# KiCad board flatlight_rev21.kicad_pcb
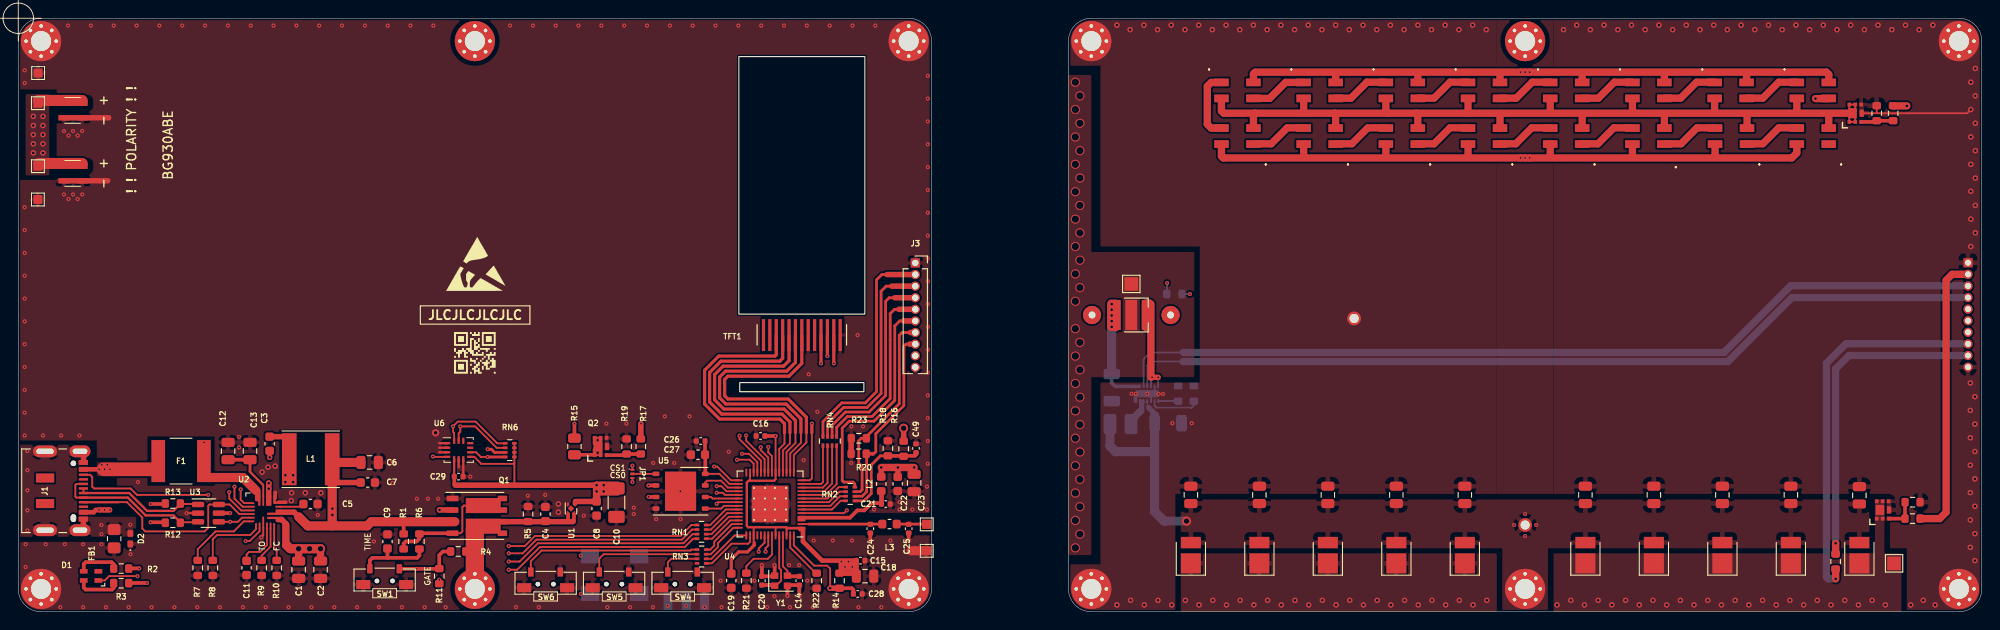
[diagram p0: board, top side]
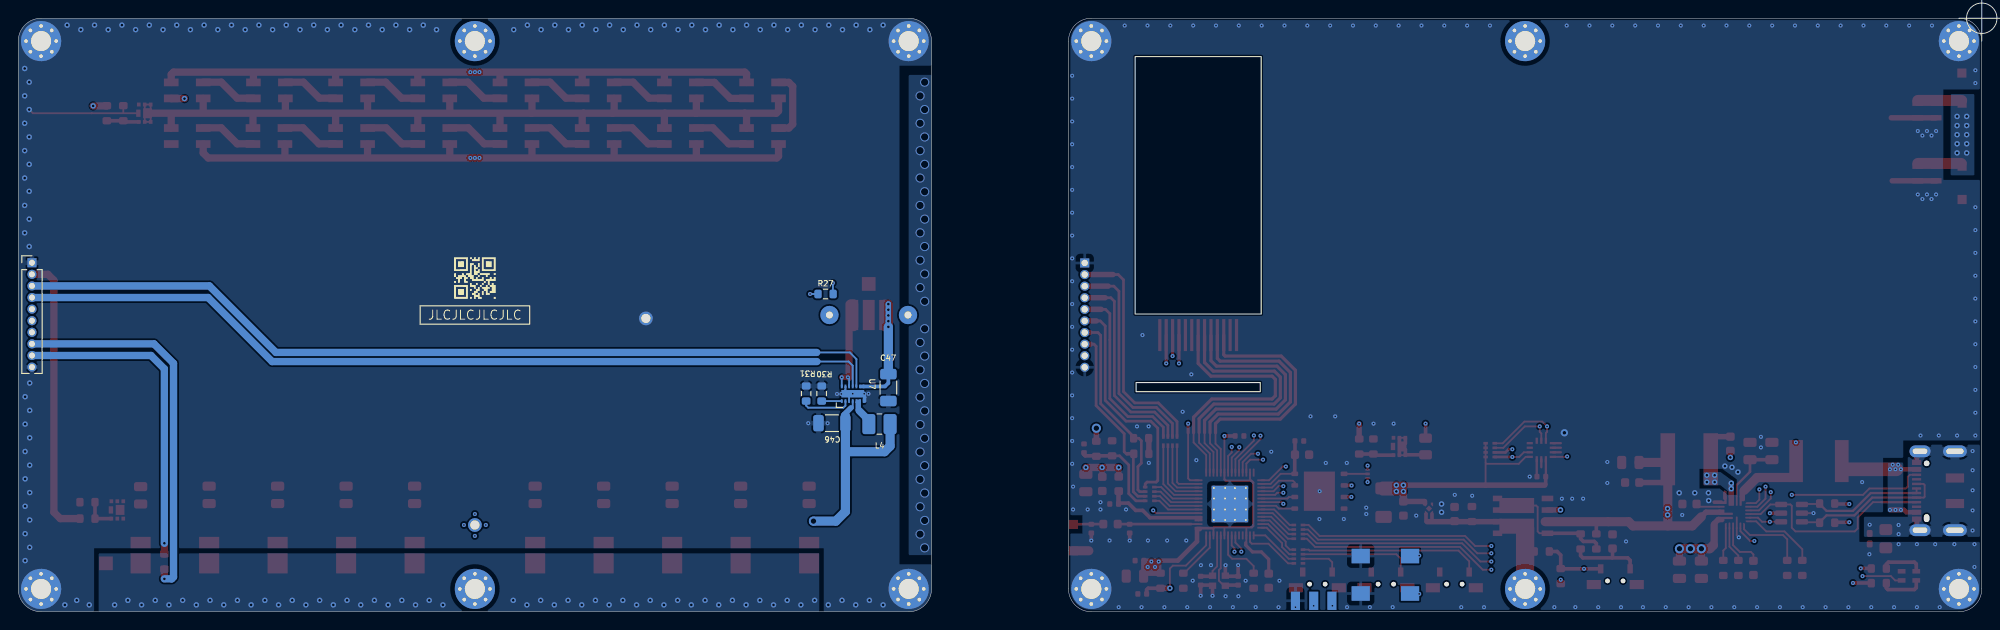
[diagram p1: board, bottom side, seen from below]

Outline 215 x 65 mm; copper layers: Top, In1.Cu, In2.Cu, Bottom. Coordinates in mm from the lower left corner of the outline.
Outline path: 0,62.5 0,2.5 arc(0.73,0.73) 2.5,0 97.5,0 arc(99.27,0.73) 100,2.5 100,62.5 arc(99.27,64.27) 97.5,65 2.5,65 arc(0.73,64.27) 0,62.5 ; 115,62.5 115,2.5 arc(115.73,0.73) 117.5,0 212.5,0 arc(214.27,0.73) 215,2.5 215,62.5 arc(214.27,64.27) 212.5,65 117.5,65 arc(115.73,64.27) 115,62.5
Stack: Top 0.035mm / dielectric 1.51mm FR4 er 4.5 / In1.Cu 0.035mm / dielectric 1.51mm FR4 er 4.5 / In2.Cu 0.035mm / dielectric 1.51mm FR4 er 4.5 / Bottom 0.035mm

## Placement (name value [footprint] x y rotation side)
BT1  lipo_sams_BG930ABE  [lipo_samsung_BG930ABE_double]  5.6 48 90 top
C1  10µF  [C_0805_2012Metric]  30.7 4.6 90 top
C2  10µF  [C_0805_2012Metric]  33.1 4.6 90 top
C3  100nF  [C_0603_1608Metric]  27.53 18.4 90 top
C4  1µF  [C_0603_1608Metric]  57.73 10.7 270 top
C5  2.2µF  [C_0603_1608Metric]  32 11.8 0 top
C6  10µF  [C_0805_2012Metric]  38.48 16.35 180 top
C7  1µF  [C_0603_1608Metric]  38.28 14.15 180 top
C8  1µF  [C_0603_1608Metric]  63.33 11.3 90 top
C9  1µF  [C_0603_1608Metric]  40.43 7.7 90 top
C10  22µF  [C_1206_3216Metric_Pad1.33x1.80mm_HandSolder]  65.5 11.95 90 top
C11  2.2µF  [C_0603_1608Metric]  25 4.8 270 top
C12  10µF  [C_0805_2012Metric]  22.98 17.6 90 top
C13  22µF  [C_0805_2012Metric]  25.38 17.6 90 top
C14  10pF  [C_0402_1005Metric]  85.53 3.4 270 top
C15  100nF  [C_0402_1005Metric]  92.23 5.6 180 top
C16  100nF  [C_0402_1005Metric]  81.28 19.25 0 top
C18  10µF  [C_0805_2012Metric]  92.73 3.9 180 top
C19  1µF  [C_0603_1608Metric]  78.08 3.4 90 top
C20  10pF  [C_0402_1005Metric]  81.43 3.4 270 top
C21  100nF  [C_0402_1005Metric]  95 11.8 180 top
C22  1µF  [C_0603_1608Metric]  96.3 14 90 top
C23  10µF  [C_0805_2012Metric]  98.1 14.1 90 top
C24  4,7 pF  [C_0402_1005Metric]  93.3 9.1 90 top
C25  4,7 pF  [C_0402_1005Metric]  97.5 9.1 90 top
C26  100nF  [C_0402_1005Metric]  74.72 18.7 0 top
C27  1µF  [C_0603_1608Metric]  74.43 17.2 0 top
C28  100nF  [C_0402_1005Metric]  91.93 1.95 0 top
C29  100nF  [C_0402_1005Metric]  48.23 14.8 180 top
C30  10µF  [C_0805_2012Metric]  158.4 12.8 90 top
C31  10µF  [C_0805_2012Metric]  179.1 12.8 90 top
C32  10µF  [C_0805_2012Metric]  171.6 12.8 90 top
C33  10µF  [C_0805_2012Metric]  150.9 12.8 90 top
C34  10µF  [C_0805_2012Metric]  143.4 12.8 90 top
C35  10µF  [C_0805_2012Metric]  201.6 12.75 90 top
C36  10µF  [C_0805_2012Metric]  128.4 12.8 90 top
C37  10µF  [C_0805_2012Metric]  194.1 12.8 90 top
C38  10µF  [C_0805_2012Metric]  135.9 12.8 90 top
C39  10µF  [C_0805_2012Metric]  186.6 12.8 90 top
C46  22µF  [C_1206_3216Metric]  125.9 20.65 180 bottom
C47  10µF  [C_1206_3216Metric]  119.73 24.55 90 bottom
C49  100nF  [C_0402_1005Metric]  98.3 17.9 90 top
D1  LED_ABRG  [0606_ARGB_LED]  7.97 3.93 180 top
D2  ESD9B5.0ST5G  [D_0402_1005Metric_Pad0.77x0.64mm_HandSolder]  12.27 8 90 top
D3  SK6812MINI  [LED_SK6812MINI]  196.5 57.1 0 top
D4  SK6812MINI  [LED_SK6812MINI]  187.5 57.1 0 top
D5  SK6812MINI  [LED_SK6812MINI]  178.5 57.1 0 top
D6  SK6812MINI  [LED_SK6812MINI]  169.5 57.1 0 top
D7  SK6812MINI  [LED_SK6812MINI]  160.5 57.1 0 top
D8  SK6812MINI  [LED_SK6812MINI]  151.5 57.1 0 top
D9  SK6812MINI  [LED_SK6812MINI]  142.5 57.1 0 top
D10  SK6812MINI  [LED_SK6812MINI]  133.5 57.1 0 top
D11  SK6812MINI  [LED_SK6812MINI]  133.5 52.1 180 top
D12  SK6812MINI  [LED_SK6812MINI]  142.5 52.1 180 top
D13  SK6812MINI  [LED_SK6812MINI]  151.5 52.1 180 top
D14  SK6812MINI  [LED_SK6812MINI]  160.5 52.1 180 top
D15  SK6812MINI  [LED_SK6812MINI]  169.5 52.1 180 top
D16  SK6812MINI  [LED_SK6812MINI]  178.5 52.1 180 top
D17  SK6812MINI  [LED_SK6812MINI]  187.55 52.1 180 top
D18  SK6812MINI  [LED_SK6812MINI]  196.5 52.1 180 top
D19  LED  [LED_PLCC_2835]  143.4 6.2 90 top
D20  LED  [LED_PLCC_2835]  201.6 6.2 90 top
D21  LED  [LED_PLCC_2835]  186.6 6.2 90 top
D22  LED  [LED_PLCC_2835]  135.9 6.2 90 top
D23  LED  [LED_PLCC_2835]  158.4 6.2 90 top
D24  LED  [LED_PLCC_2835]  194.1 6.2 90 top
D25  LED  [LED_PLCC_2835]  171.6 6.2 90 top
D26  LED  [LED_PLCC_2835]  150.9 6.2 90 top
D27  LED  [LED_PLCC_2835]  128.4 6.2 90 top
D28  LED  [LED_PLCC_2835]  179.1 6.2 90 top
D35  LED_Cree_XPP  [LED_Cree-XHP35]  121.87 32.5 180 top
F1  Polyfuse_Small  [FUSE_littlefuse_2016-4.1x5.2mm]  17.83 16.5 0 top
FB1  FerriteBead_Small  [R_0805_2012Metric_Pad1.20x1.40mm_HandSolder]  10.5 8 90 top
G***  LOGO  [LOGO_cc-by-nc-sa]  85.12 62.49 180 top
G***#2  LOGO  [LOGO_CATLIGHT_TIGER]  181.35 32.17 180 top
G***#3  LOGO  [logo_JLC_QR_silk]  50 28.35 0 top
G***#4  LOGO  [logo_lisa_wonla_1]  141.3 49.4 90 bottom
G***#5  LOGO  [logo_CAT_text]  29.38 32.2 90 bottom
G***#6  LOGO  [logo_JLC_QR_silk]  165 36.55 180 bottom
G***#7  LOGO  [logo_lisa_djinn_2]  50.06 32.21 90 bottom
G***#8  LOGO  [LOGO_cc-by-nc-sa]  209.8 48.8 270 bottom
H1  MountingHole_Pad  [MountingHole_2.2mm_M2_Pad_Via]  50 2.5 0 top
H2  MountingHole_Pad  [MountingHole_2.2mm_M2_Pad_Via]  97.5 2.5 0 top
H3  MountingHole_Pad  [MountingHole_2.2mm_M2_Pad_Via]  97.5 62.5 0 top
H4  MountingHole_Pad  [MountingHole_2.2mm_M2_Pad_Via]  2.5 62.5 0 top
H5  MountingHole_Pad  [MountingHole_2.2mm_M2_Pad_Via]  2.5 2.5 0 top
H6  MountingHole_Pad  [MountingHole_2.2mm_M2_Pad_Via]  50 62.5 0 top
H7  thole1  [plated_hole_1mm]  165 9.5 0 top
H14  thole8  [plated_hole_1mm]  146.27 32.12 0 top
H15  MountingHole_Pad  [MountingHole_2.2mm_M2_Pad_Via]  165 62.5 0 top
H16  MountingHole_Pad  [MountingHole_2.2mm_M2_Pad_Via]  165 2.5 0 top
H17  MountingHole_Pad  [MountingHole_2.2mm_M2_Pad_Via]  117.5 62.5 0 top
H18  MountingHole_Pad  [MountingHole_2.2mm_M2_Pad_Via]  212.5 62.5 0 top
H19  MountingHole_Pad  [MountingHole_2.2mm_M2_Pad_Via]  212.5 2.5 0 top
H20  MountingHole_Pad  [MountingHole_2.2mm_M2_Pad_Via]  117.5 2.5 0 top
J1  USB_C_Receptacle_USB2.0  [USB_C_Receptacle_JAE_DX07S016JA1R1500]  4.08 13.25 270 top
J2  G-T-R  [01x03_smd_1mmx2mm_pad]  73.15 1.2 180 bottom
J3  B2B_eside  [PinSocket_1x10_P1.27mm_Vertical]  98.23 38.2 0 top
J4  B2B_ledside  [PinHeader_1x10_P1.27mm_Vertical]  213.5 38.22 180 bottom
JP1  SolderJumper_3_Open  [microbridge]  67.25 15.1 270 top
L1  1µH  [L_Taiyo-Yuden_NR-60xx]  32.03 16.7 180 top
L2  1µH  [L_0603_1608Metric]  94.5 14 270 top
L3  1.8 nH  [L_0603_1608Metric]  95.4 9.6 180 top
L4  1µH  [L_1008_2520Metric_Pad1.43x2.20mm_HandSolder]  120.7 20.55 0 bottom
lense1  Lense_Mount  [LENS_LEDIL_C12491_siri_diff]  121.87 32.5 90 top
logo1  logo_qrtag  [logo_QR_url_git_catlight]  68.45 45.85 270 top
logo1#2  logo_qrtag  [logo_QR_url_git_catlight]  165 18.52 180 bottom
logo2  logo_JLC  [JLC-SERIAL]  50.03 32.5 180 top
logo5  logo_JLC  [JLC-SERIAL]  165 32.5 180 bottom
logo6  logo_esd  [ESD-Logo_6.6x6mm_SilkScreen]  50.1 38.1 0 top
logo8  logo_heart  [logo_heart3]  4.8 13.3 90 bottom
logo9  logo_LWarn  [logo_lightwarn_large]  143.27 32.5 90 top
logo10  logo_CATLIGHT  [logo_catlightMK2_small]  124.18 51.84 90 top
logo10#2  logo_CATLIGHT  [logo_catlightMK2_small]  94.87 56.94 90 bottom
Q1  DMC1016UPD  [PowerDI5060-8]  50.23 10.5 0 top
Q2  DMN2022-UFDF7  [U-DFN2020-6 (Type F)]  63.81 18.05 0 top
Q3  DMN2022-UFDF7  [U-DFN2020-6 (Type F)]  201.2 54.55 0 top
Q4  DMN2022-UFDF7  [U-DFN2020-6 (Type F)]  204.2 11.1 0 top
R1  10kΩ  [R_0603_1608Metric]  42.2 7.7 270 top
R2  4.7KΩ  [R_0603_1608Metric]  11.27 4.73 0 top
R3  500Ω  [R_0603_1608Metric]  11.27 3.13 0 top
R4  10kΩ  [R_0603_1608Metric]  48.18 6.6 180 top
R5  10kΩ (depending on caps)  [R_0603_1608Metric]  55.83 10.7 90 top
R6  100kΩ  [R_0603_1608Metric]  43.93 7.7 270 top
R7  20kΩ  [R_0603_1608Metric]  19.65 4.8 270 top
R8  20kΩ  [R_0603_1608Metric]  21.3 4.8 270 top
R9  10KΩ(150mA_TO)  [R_0603_1608Metric]  26.65 4.8 90 top
R10  10KΩ(1.5A_FC)  [R_0603_1608Metric]  28.3 4.8 270 top
R11  0 Ω  [R_0603_1608Metric]  46.1 3.9 270 top
R12  22Ω  [R_0603_1608Metric]  16.93 9.75 180 top
R13  22Ω  [R_0603_1608Metric]  16.93 11.85 180 top
R14  10kΩ  [R_0603_1608Metric]  89.93 3.4 90 top
R15  14Ω  [R_0805_2012Metric]  60.9 18.1 270 top
R16  1MΩ  [R_0603_1608Metric]  96.95 17.85 90 top
R17  1kΩ  [R_0603_1608Metric]  68.16 18.1 270 top
R18  1MΩ  [R_0603_1608Metric]  95.23 17.9 270 top
R19  1MΩ  [R_0603_1608Metric]  66.61 18.1 270 top
R20  10 kΩ  [R_0603_1608Metric]  92.03 17.3 0 top
R21  10kΩ  [R_0603_1608Metric]  79.73 3.4 90 top
R22  10kΩ  [R_0603_1608Metric]  87.43 3.4 90 top
R23  10 kΩ  [R_0603_1608Metric]  92.05 19 0 top
R24  1kΩ  [R_0603_1608Metric]  205.3 54.6 90 top
R25  1MΩ  [R_0603_1608Metric]  203.5 54.6 270 top
R26  NTC 10 kΩ  [R_0603_1608Metric]  199 5.5 270 top
R27  NTC 10 kΩ  [R_0603_1608Metric]  126.6 34.8 180 bottom
R28  1kΩ  [R_0603_1608Metric]  207.43 10.2 180 top
R29  1MΩ  [R_0603_1608Metric]  207.43 12 180 top
R30  37.5kΩ  [R_0603_1608Metric]  127.02 23.9 270 bottom
R31  12kΩ  [R_0603_1608Metric]  128.73 23.9 270 bottom
RN1  0Ω  [R_Array_Concave_4x0402]  74.83 8.75 180 top
RN2  0Ω  [R_Array_Concave_4x0402]  91.1 12.9 0 top
RN3  0Ω  [R_Array_Concave_4x0402]  74.83 6.05 180 top
RN4  1kΩ  [R_Array_Concave_4x0402]  88.87 18.69 90 top
RN6  10KΩ  [R_Array_Concave_4x0402]  53.83 17.7 0 top
SW1  BTN_PWR  [white_nano_smd_switch]  40.13 2.77 180 top
SW2  BT  [SW_SPST_EVQPE1]  65.3 6.1 0 bottom
SW3  RST  [SW_SPST_EVQPE1]  65.3 2 0 bottom
SW4  BTN_PWR  [white_nano_smd_switch]  72.75 2.42 180 top
SW5  BTN_PWR  [white_nano_smd_switch]  65.25 2.42 180 top
SW6  BTN_PWR  [white_nano_smd_switch]  57.75 2.42 180 top
TFT1  OLED_ST7735_0.9inch_SPI_13pin  [TFT_ST7735_0,96_160x80_folded]  85.8 30.3 0 top
TP6  ANT_H  [TestPoint_Pad_1.0x1.0mm]  99.48 9.58 0 top
TP8  ANT_GND  [TestPoint_Pad_1.0x1.0mm]  99.47 6.67 0 top
TP9  TestPoint  [TestPoint_Pad_1.5x1.5mm]  205.4 5.3 0 top
TP10  TestPoint  [TestPoint_Pad_1.5x1.5mm]  121.87 35.9 180 top
TP11  GND  [TestPoint_Pad_1.0x1.0mm]  2.17 59 0 top
TP12  GND  [TestPoint_Pad_1.0x1.0mm]  2.15 45.15 0 top
TP13  +BATT  [TestPoint_Pad_1.0x1.0mm]  2.15 55.7 0 top
TP14  +BATT  [TestPoint_Pad_1.0x1.0mm]  2.15 48.8 0 top
U1  NCP167-XDFN4  [UDFN-4-1EP_1x1mm_P0.65mm_EP0.48x0.48mm]  60.53 11.3 270 top
U2  MAX77751  [max77751]  27.03 10.9 0 top
U3  USBLC6-4SC6  [SOT-23-6]  20.83 10.8 0 top
U4  ESP32-S2  [QFN-56-1EP_7x7mm_P0.4mm_EP5.6x5.6mm_ThermalVias]  82.33 11.8 180 top
U5  AT25xxx-MA  [WSON-8-1EP_6x5mm_P1.27mm_EP3.4x4.3mm]  72.53 13.2 0 top
U6  LSM6DS3  [Bosch_LGA-14_3x2.5mm_P0.5mm]  48.23 17.71 0 top
U7  LDRV_DIO5180  [DFN-14-2x3mm]  123.62 23.88 180 bottom
Y1  40MHz  [Crystal_SMD_2016-4Pin_2.0x1.6mm_smallpads]  83.52 3.4 0 top

## Footprints (pads in the part's own frame, mm; a bottom-side part is the same pattern mirrored in y, then rotated)
01x03_smd_1mmx2mm_pad
  rect 1x2 smd: 1(-2,0) 2(0,0) 3(2,0)
0606_ARGB_LED
  rect 0.85x0.5 smd: 1(-0.8,0.5) 2(-0.8,-0.5) 3(0.8,0.5) 4(0.8,-0.5)
Bosch_LGA-14_3x2.5mm_P0.5mm
  rect 0.675x0.25 smd: 1(-1.262,0.75) 2(-1.262,0.25) 3(-1.262,-0.25) 4(-1.262,-0.75) 8(1.262,-0.75) 9(1.262,-0.25) 10(1.262,0.25) 11(1.262,0.75)
  rect 0.25x0.675 smd: 5(-0.5,-1.012) 6(0,-1.012) 7(0.5,-1.012) 12(0.5,1.012) 13(0,1.012) 14(-0.5,1.012)
C_0402_1005Metric
  rrect 0.56x0.62 smd: 1(-0.48,0) 2(0.48,0)
C_0603_1608Metric
  rrect 0.9x0.95 smd: 1(-0.775,0) 2(0.775,0)
C_0805_2012Metric
  rrect 1x1.45 smd: 1(-0.95,0) 2(0.95,0)
C_1206_3216Metric
  rrect 1.15x1.8 smd: 1(-1.475,0) 2(1.475,0)
C_1206_3216Metric_Pad1.33x1.80mm_HandSolder
  rrect 1.325x1.8 smd: 1(-1.562,0) 2(1.562,0)
Crystal_SMD_2016-4Pin_2.0x1.6mm_smallpads
  rect 0.8x0.7 smd: 1(-0.7,-0.55) 2(0.7,-0.55) 3(0.7,0.55) 4(-0.7,0.55)
D_0402_1005Metric_Pad0.77x0.64mm_HandSolder
  rrect 0.765x0.64 smd: 1(-0.573,0) 2(0.573,0)
DFN-14-2x3mm
  rect 0.2x0.4 smd: 1(-1.2,-0.8) 2(-0.8,-0.8) 3(-0.4,-0.8) 4(0,-0.8) 5(0.4,-0.8) 6(0.8,-0.8) 7(1.2,-0.8) 8(1.2,0.8) 9(0.8,0.8) 10(0.4,0.8) 11(0,0.8) 12(-0.4,0.8) 13(-0.8,0.8) 14(-1.2,0.8)
  rect 2.5x0.8 smd: 15(0,0)
FUSE_littlefuse_2016-4.1x5.2mm
  rect 1.5x4.6 smd: 1(-2.5,0) 2(2.5,0)
L_0603_1608Metric
  rrect 0.875x0.95 smd: 1(-0.787,0) 2(0.787,0)
L_1008_2520Metric_Pad1.43x2.20mm_HandSolder
  rrect 1.425x2.2 smd: 1(-1.163,0) 2(1.163,0)
L_Taiyo-Yuden_NR-60xx
  rect 1.6x5.7 smd: 1(-2.35,0) 2(2.35,0)
LED_Cree-XHP35
  rect 1.01x0.75 smd: (0,1) (0,0) (0,-1)
  rect 0.5x3.3 smd: 1(-1.4,0) 2(1.4,0)
  rect 1.3x3.3 smd: 3(0,0)
LED_PLCC_2835
  rect 2.2x2.2 smd: 1(-0.9,0)
  rect 1.25x2.2 smd: 2(1.375,0)
LED_SK6812MINI
  rect 1.6x0.85 smd: 1(-1.75,0.875) 2(-1.75,-0.875) 3(1.75,-0.875) 4(1.75,0.875)
LENS_LEDIL_C12491_siri_diff
  round 2 hole 0.762 unplated: (0,4.3) (0,-4.3)
lipo_samsung_BG930ABE_double
  rect 0.6x1.2 smd: 5(-0.8,0.6) 5(6.1,0.6) 6(-0.8,-1.4) 6(6.1,-1.4) 7(0.8,-1.4) 7(7.7,-1.4) 8(0.8,0.6) 8(7.7,0.6)
max77751
  custom 0.625x0.2 smd: 1(-1.75,1) 6(-1.75,-1)
  custom 0.675x0.2 smd: 2(-1.75,0.6) 3(-1.75,0.2) 4(-1.75,-0.2) 5(-1.75,-0.6) 17(1.75,0.6)
  custom 0.2x0.625 smd: 7(-1,-1.75) 12(1,-1.75)
  custom 0.2x0.675 smd: 8(-0.6,-1.75) 10(0.2,-1.75) 11(0.6,-1.75)
  custom 0.2x1.325 smd: 9(-0.2,-1.725)
  custom 1.575x0.6 smd: 13(1.75,-0.8) 15(1.75,0)
  rect 0.1x0.1 smd: 14(1.65,-0.8) 16(1.65,0) 18(1.725,1) 21(0.4,1.65) 24(-0.8,1.65)
  custom 0.9x0.9 smd: 19(1,1.75)
  custom 0.6x1.1 smd: 20(0.4,1.75) 23(-0.8,1.75)
  custom 0.2x1.1 smd: 22(-0.2,1.75)
microbridge
  rrect 0.2x0.5 smd: 1(-0.45,0) 3(0.45,0)
  rrect 0.3x0.5 smd: 2(0,0)
MountingHole_2.2mm_M2_Pad_Via
  round 0.7 hole 0.4: 1(-1.65,0) 1(-1.167,1.167) 1(-1.167,-1.167) 1(0,1.65) 1(0,-1.65) 1(1.167,1.167) 1(1.167,-1.167) 1(1.65,0)
  round 4.4 hole 2.2: 1(0,0)
PinHeader_1x10_P1.27mm_Vertical
  rect 1x1 hole 0.65: 1(0,0)
  oval 1x1 hole 0.65: 2(0,-1.27) 3(0,-2.54) 4(0,-3.81) 5(0,-5.08) 6(0,-6.35) 7(0,-7.62) 8(0,-8.89) 9(0,-10.16) 10(0,-11.43)
PinSocket_1x10_P1.27mm_Vertical
  rect 1x1 hole 0.7: 1(0,0)
  oval 1x1 hole 0.7: 2(0,-1.27) 3(0,-2.54) 4(0,-3.81) 5(0,-5.08) 6(0,-6.35) 7(0,-7.62) 8(0,-8.89) 9(0,-10.16) 10(0,-11.43)
plated_hole_1mm
  round 1.5 hole 1: 1(0,0)
PowerDI5060-8
  rect 1.27x0.61 smd: 1(-2.67,1.905) 2(-2.67,0.635) 3(-2.67,-0.635) 4(-2.67,-1.905)
  rect 3.81x1.65 smd: 5(0.69,-1.13) 7(0.69,1.13)
  rect 1.02x0.61 smd: 5(2.795,-1.905) 6(2.795,-0.635) 7(2.795,0.635) 8(2.795,1.905)
QFN-56-1EP_7x7mm_P0.4mm_EP5.6x5.6mm_ThermalVias
  rrect 1.084x1.084 smd: (-0.637,0.637) (-0.637,-0.637) (0.637,0.637) (0.637,-0.637)
  rrect 0.875x0.2 smd: 1(-3.438,2.6) 2(-3.438,2.2) 3(-3.438,1.8) 4(-3.438,1.4) 5(-3.438,1) 6(-3.438,0.6) 7(-3.438,0.2) 8(-3.438,-0.2) 9(-3.438,-0.6) 10(-3.438,-1) 11(-3.438,-1.4) 12(-3.438,-1.8) 13(-3.438,-2.2) 14(-3.438,-2.6) 29(3.438,-2.6) 30(3.438,-2.2) 31(3.438,-1.8) 32(3.438,-1.4) 33(3.438,-1) 34(3.438,-0.6) 35(3.438,-0.2) 36(3.438,0.2) 37(3.438,0.6) 38(3.438,1) 39(3.438,1.4) 40(3.438,1.8) 41(3.438,2.2) 42(3.438,2.6)
  rrect 0.2x0.875 smd: 15(-2.6,-3.438) 16(-2.2,-3.438) 17(-1.8,-3.438) 18(-1.4,-3.438) 19(-1,-3.438) 20(-0.6,-3.438) 21(-0.2,-3.438) 22(0.2,-3.438) 23(0.6,-3.438) 24(1,-3.438) 25(1.4,-3.438) 26(1.8,-3.438) 27(2.2,-3.438) 28(2.6,-3.438) 43(2.6,3.438) 44(2.2,3.438) 45(1.8,3.438) 46(1.4,3.438) 47(1,3.438) 48(0.6,3.438) 49(0.2,3.438) 50(-0.2,3.438) 51(-0.6,3.438) 52(-1,3.438) 53(-1.4,3.438) 54(-1.8,3.438) 55(-2.2,3.438) 56(-2.6,3.438)
  round 0.5 hole 0.2: 57(-1.75,1.75) 57(-1.75,0.6) 57(-1.75,-0.6) 57(-1.75,-1.75) 57(-0.525,1.75) 57(-0.525,0.6) 57(-0.525,-0.6) 57(-0.525,-1.75) 57(0.55,1.75) 57(0.55,0.6) 57(0.55,-0.6) 57(0.55,-1.75) 57(1.75,1.75) 57(1.75,0.6) 57(1.75,-0.6) 57(1.75,-1.75)
  rect 4x4 smd: 57(0,0)
  rect 4x4 smd far side: 57(0,0)
R_0603_1608Metric
  rrect 0.8x0.95 smd: 1(-0.825,0) 2(0.825,0)
R_0805_2012Metric
  rrect 1.025x1.4 smd: 1(-0.912,0) 2(0.912,0)
R_0805_2012Metric_Pad1.20x1.40mm_HandSolder
  rrect 1.2x1.4 smd: 1(-1,0) 2(1,0)
R_Array_Concave_4x0402
  rect 0.5x0.3 smd: 1(-0.5,0.75) 2(-0.5,0.25) 3(-0.5,-0.25) 4(-0.5,-0.75) 5(0.5,-0.75) 6(0.5,-0.25) 7(0.5,0.25) 8(0.5,0.75)
SOT-23-6
  rrect 1.325x0.6 smd: 1(-1.137,0.95) 2(-1.137,0) 3(-1.137,-0.95) 4(1.137,-0.95) 5(1.137,0) 6(1.137,0.95)
SW_SPST_EVQPE1
  rect 2x1.6 smd: 1(-2.7,0) 2(2.7,0)
TestPoint_Pad_1.0x1.0mm
  rect 1x1 smd: 1(0,0)
TestPoint_Pad_1.5x1.5mm
  rect 1.5x1.5 smd: 1(0,0)
TFT_ST7735_0,96_160x80_folded
  rect 0.35x3.5 smd: 1(-4.2,0) 2(-3.5,0) 3(-2.8,0) 4(-2.1,0) 5(-1.4,0) 6(-0.7,0) 7(0,0) 8(0.7,0) 9(1.4,0) 10(2.1,0) 11(2.8,0) 12(3.5,0) 13(4.2,0)
U-DFN2020-6 (Type F)
  rect 0.4x0.425 smd: 1(-0.698,1) 1(-0.698,-0.9) 1(-0.048,1) 1(-0.048,-0.9) 2(0.602,1) 3(0.602,-0.9)
  rect 0.95x1.1 smd: 1(-0.348,0.05)
  rect 0.48x0.8 smd: 2(0.652,0.05)
UDFN-4-1EP_1x1mm_P0.65mm_EP0.48x0.48mm
  custom 0.47x0.25 smd: 1(-0.54,0.325)
  custom 0.4x0.25 smd: 2(-0.54,-0.325) 3(0.54,-0.325) 4(0.54,0.325)
  rect 0.48x0.48 smd rot 45: 5(0,0)
USB_C_Receptacle_JAE_DX07S016JA1R1500
  round 0.6 hole 0.6 unplated: (-3,1.95)
  rect 1x2 smd: (-1.4,-1.15) (1.4,-1.15)
  oval 0.85x0.6 hole 0.85x0.6 unplated: (3,1.95)
  rect 0.52x1 smd: A1(-3.1,3.05) A4(-2.35,3.05) A9(2.35,3.05) A12(3.1,3.05) B1(3.1,3.05) B4(2.35,3.05) B9(-2.35,3.05) B12(-3.1,3.05)
  rect 0.27x1 smd: A5(-1.75,3.05) A6(-0.25,3.05) A7(0.75,3.05) A8(1.75,3.05) B5(1.25,3.05) B6(0.25,3.05) B7(-0.75,3.05) B8(-1.25,3.05)
  oval 1.3x2.3 hole 0.6x1.6: S1(-4.32,2.675) S1(4.32,2.675)
  oval 1.3x2.6 hole 0.6x1.9: S1(-4.32,-1.15) S1(4.32,-1.15)
white_nano_smd_switch
  round 0.5 hole 0.5 unplated: (-0.85,-0.6) (0.85,-0.6)
  rect 0.6x1 smd: 1(-1.6,-1.925) 2(1.625,-1.925)
  rect 1.55x1 smd: 3(-2.35,-0.2) 3(2.35,-0.2)
WSON-8-1EP_6x5mm_P1.27mm_EP3.4x4.3mm
  rrect 1.37x1.73 smd: (-0.85,1.075) (-0.85,-1.075) (0.85,1.075) (0.85,-1.075)
  rrect 0.75x0.5 smd: 1(-2.7,1.905) 2(-2.7,0.635) 3(-2.7,-0.635) 4(-2.7,-1.905) 5(2.7,-1.905) 6(2.7,-0.635) 7(2.7,0.635) 8(2.7,1.905)
  rect 3.4x4.3 smd: 9(0,0)

## Nets
+3V3: C8.2 C10.2 C15.2 C16.2 C18.2 C19.2 C22.2 C23.2 C29.2 J3.9 J4.9 L2.1 R14.2 R26.1 R27.1 RN6.5 RN6.6 RN6.7 RN6.8 TFT1.10 TFT1.12 U1.1 U4.1 U4.20 U4.27 U4.45 U4.51 U4.54 U6.5 U6.8
GND: BT1.5 BT1.6 C1.1 C2.1 C4.1 C5.2 C6.1 C7.1 C8.1 C9.2 C10.1 C11.2 C12.2 C13.2 C14.2 C15.1 C16.1 C18.1 C19.1 C20.1 C21.1 C22.1 C23.1 C24.1 C25.1 C26.1 C27.1 C28.2 C29.1 C30.2 C31.2 C32.2 C33.2 C34.2 C35.2 C36.2 C37.2 C38.2 C39.2 C46.1 C47.1 C49.2 D2.1 FB1.1 H2.1 H3.1 H4.1 H5.1 H14.1 H17.1 H18.1 H19.1 H20.1 J2.1 J3.1 J3.10 J4.1 J4.10 Q1.1 Q2.2 Q3.2 Q4.2 R5.2 R7.2 R8.2 R9.1 R10.2 R18.1 R19.1 R20.1 R21.1 R22.1 R23.1 R25.1 R29.1 R30.1 R31.1 SW1.3 SW2.2 SW3.2 SW4.1 SW4.3 SW5.1 SW5.3 SW6.1 SW6.3 TFT1.8 TFT1.13 TP8.1 TP11.1 TP12.1 U1.2 U1.5 U2.9 U2.18 U2.19 U3.2 U4.57 U5.4 U5.9 U6.1 U6.2 U6.3 U6.6 U6.7 U7.3 U7.7 U7.13 U7.15 Y1.2 Y1.4
GNDPWR: D2.2 FB1.2 J1.A1 J1.A12 J1.B1 J1.B12 J1.S1
VBUS: F1.2 U2.23 U2.24 U3.5
VDD_SPI: C26.2 C27.2 U4.30 U5.8
+BATT: BT1.7 BT1.8 C1.2 C2.2 R16.2 TP13.1 TP14.1 U2.13 U2.14
ADC_BATV: C49.1 R16.1 R18.2 RN2.5
BNT_DIG1: RN3.5 SW6.2
BNT_DIG2: RN3.6 SW5.2
BNT_DIG3: RN3.7 SW4.2
CC1: J1.A5 U2.5 U3.4
CC2: J1.B5 U2.4 U3.6
D+: J1.A6 J1.B6 R13.1 U3.1
D-: J1.A7 J1.B7 R12.1 U3.3
DISP_BACKLIGHT: R17.1 U4.14
DISP_CLK: TFT1.4 U4.18
DISP_CS: TFT1.7 U4.15
DISP_DATA: TFT1.3 U4.19
DISP_DC: TFT1.5 U4.17
DISP_RESET: TFT1.6 U4.16
EN: C28.1 R14.1 SW3.1 U4.56
ENBST: RN1.5 U2.8
ES_FLASH_EN: J3.3 RN4.7
ES_JS_LED_NTC: J3.8 R20.2 RN2.6
ES_LED_PWM: J3.2 RN4.8
ES_TORCH_EN: J3.4 RN4.6
ES_WS_LDAT: J3.5 RN4.5
ES_WS_POWER: J3.6 RN2.8
ES_XP_LED_NTC: J3.7 R23.2 RN2.7
GPIO0: SW2.1 U4.5
GPIO45: R21.2 U4.50
GPIO46: R22.2 U4.55
IMU_INT1: RN6.3 U4.22 U6.4
IMU_INT2: RN6.4 U4.21 U6.9
INOK: R2.2 RN1.7 U2.2
LS_FLASH_EN: J4.3 U7.10
LS_JS_LED_NTC: J4.8 R26.2
LS_LED_PWM: J4.2 R28.1
LS_PWM_PWR: D19.1 D20.1 D21.1 D22.1 D23.1 D24.1 D25.1 D26.1 D27.1 D28.1 Q4.1 TP9.1
LS_SYS: C30.1 C31.1 C32.1 C33.1 C34.1 C35.1 C36.1 C37.1 C38.1 C39.1 C46.2 D3.4 D4.4 D5.4 D6.4 D7.4 D8.4 D9.4 D10.4 D11.4 D12.4 D13.4 D14.4 D15.4 D16.4 D17.4 D18.4 D19.2 D20.2 D21.2 D22.2 D23.2 D24.2 D25.2 D26.2 D27.2 D28.2 H7.1 H15.1 H16.1 L4.1 U7.4
LS_TORCH_EN: J4.4 U7.11
LS_WS_LDAT: D3.3 J4.5
LS_WS_POWER: J4.6 R24.2
LS_XP_LED_NTC: J4.7 R27.2
LX: C3.2 L1.2 U2.20 U2.21
PAD: D35.3 TP10.1
PWRMAIN_SW: R11.2 RN1.8
radio: C24.2 L3.2 U4.2
RX: J2.3 U4.48
SCL: RN6.2 U4.23 U6.13
SDA: RN6.1 U4.24 U6.14
SPICLK: U4.34 U5.6
SPICS0: JP1.3 U4.33
SPICS1: JP1.1 U4.29
SPID: U4.36 U5.5
SPIHD: U4.31 U5.7
SPIQ: U4.35 U5.2
SPIWP: U4.32 U5.3
STAT: R3.2 RN1.6 U2.3
SYS: C6.2 C7.2 D1.1 L1.1 Q1.3 R1.1 U2.15 U2.16
SYSOUT: C4.2 H1.1 H6.1 Q1.5 Q1.6 R4.1 R5.1 U1.3 U1.4
TX: J2.2 U4.49
U_N: R12.2 U4.25
U_P: R13.2 U4.26
WS_GNDBUS: D3.2 D4.2 D5.2 D6.2 D7.2 D8.2 D9.2 D10.2 D11.2 D12.2 D13.2 D14.2 D15.2 D16.2 D17.2 D18.2 Q3.1
XTAL_N: C20.2 U4.52 Y1.1
XTAL_P: C14.1 U4.53 Y1.3
Net-(C3-Pad1): C3.1 U2.1
Net-(C5-Pad1): C5.1 U2.17
Net-(C9-Pad1): C9.1 R6.2 SW1.2
Net-(C11-Pad1): C11.1 U2.10
Net-(C12-Pad1): C12.1 C13.1 U2.22
Net-(C21-Pad2): C21.2 L2.2 U4.3 U4.4
Net-(C25-Pad2): C25.2 L3.1 TP6.1
Net-(C47-Pad2): C47.2 D35.2 U7.8 U7.9
Net-(D1-Pad3): D1.3 R3.1
Net-(D1-Pad4): D1.4 R2.1
Net-(D3-Pad1): D3.1 D4.3
Net-(D4-Pad1): D4.1 D5.3
Net-(D5-Pad1): D5.1 D6.3
Net-(D6-Pad1): D6.1 D7.3
Net-(D7-Pad1): D7.1 D8.3
Net-(D8-Pad1): D8.1 D9.3
Net-(D10-Pad1): D10.1 D11.3
Net-(D10-Pad3): D9.1 D10.3
Net-(D11-Pad1): D11.1 D12.3
Net-(D12-Pad1): D12.1 D13.3
Net-(D13-Pad1): D13.1 D14.3
Net-(D14-Pad1): D14.1 D15.3
Net-(D15-Pad1): D15.1 D16.3
Net-(D16-Pad1): D16.1 D17.3
Net-(D17-Pad1): D17.1 D18.3
Net-(D35-Pad1): D35.1 U7.12 U7.14
Net-(F1-Pad1): F1.1 J1.A4 J1.A9 J1.B4 J1.B9
Net-(JP1-Pad2): JP1.2 U5.1
Net-(L4-Pad2): L4.2 U7.5 U7.6
Net-(Q1-Pad2): Q1.2 R4.2 R11.1 SW1.1
Net-(Q1-Pad4): Q1.4 Q1.7 Q1.8 R1.2 R6.1
Net-(Q2-Pad1): Q2.1 R15.2
Net-(Q2-Pad3): Q2.3 R17.2 R19.2
Net-(Q3-Pad3): Q3.3 R24.1 R25.2
Net-(Q4-Pad3): Q4.3 R28.2 R29.2
Net-(R7-Pad1): R7.1 U2.6
Net-(R8-Pad1): R8.1 U2.7
Net-(R9-Pad2): R9.2 U2.11
Net-(R10-Pad1): R10.1 U2.12
Net-(R15-Pad1): R15.1 TFT1.11
Net-(R30-Pad2): R30.2 U7.1
Net-(R31-Pad2): R31.2 U7.2
Net-(RN1-Pad1): RN1.1 U4.40
Net-(RN1-Pad2): RN1.2 U4.39
Net-(RN1-Pad3): RN1.3 U4.38
Net-(RN1-Pad4): RN1.4 U4.37
Net-(RN2-Pad1): RN2.1 U4.9
Net-(RN2-Pad2): RN2.2 U4.8
Net-(RN2-Pad3): RN2.3 U4.7
Net-(RN2-Pad4): RN2.4 U4.6
Net-(RN3-Pad1): RN3.1 U4.44
Net-(RN3-Pad2): RN3.2 U4.43
Net-(RN3-Pad3): RN3.3 U4.42
Net-(RN3-Pad4): RN3.4 U4.41
Net-(RN4-Pad1): RN4.1 U4.13
Net-(RN4-Pad2): RN4.2 U4.12
Net-(RN4-Pad3): RN4.3 U4.11
Net-(RN4-Pad4): RN4.4 U4.10

Pads without a net: D1 2; D18 1; J1 A8 B8; RN3 8; TFT1 1 2 9; U4 28 46 47; U6 10 11 12

## Via types
v1: diameter 0.6, hole 0.3, Top to Bottom, 186 vias
v2: diameter 1, hole 0.6, Top to Bottom, 5 vias
v3: diameter 0.45, hole 0.2, Top to Bottom, 268 vias
v4: diameter 0.8, hole 0.4, Top to Bottom, 1 via
v5: diameter 1, hole 0.8, Top to Bottom, 34 vias
